# Altium PCB HV_Module_6W.PCBDOC (part 3 of 4)
Units mm, origin at the board's own origin, x right, y up, seen from the top; angles counter-clockwise.
Board outline 148 x 86 mm, 4 copper layers (Top, L2, L3, Bot), stack 1.6 mm thick; 457 components, 280 nets, 1264 pads, 439 vias.
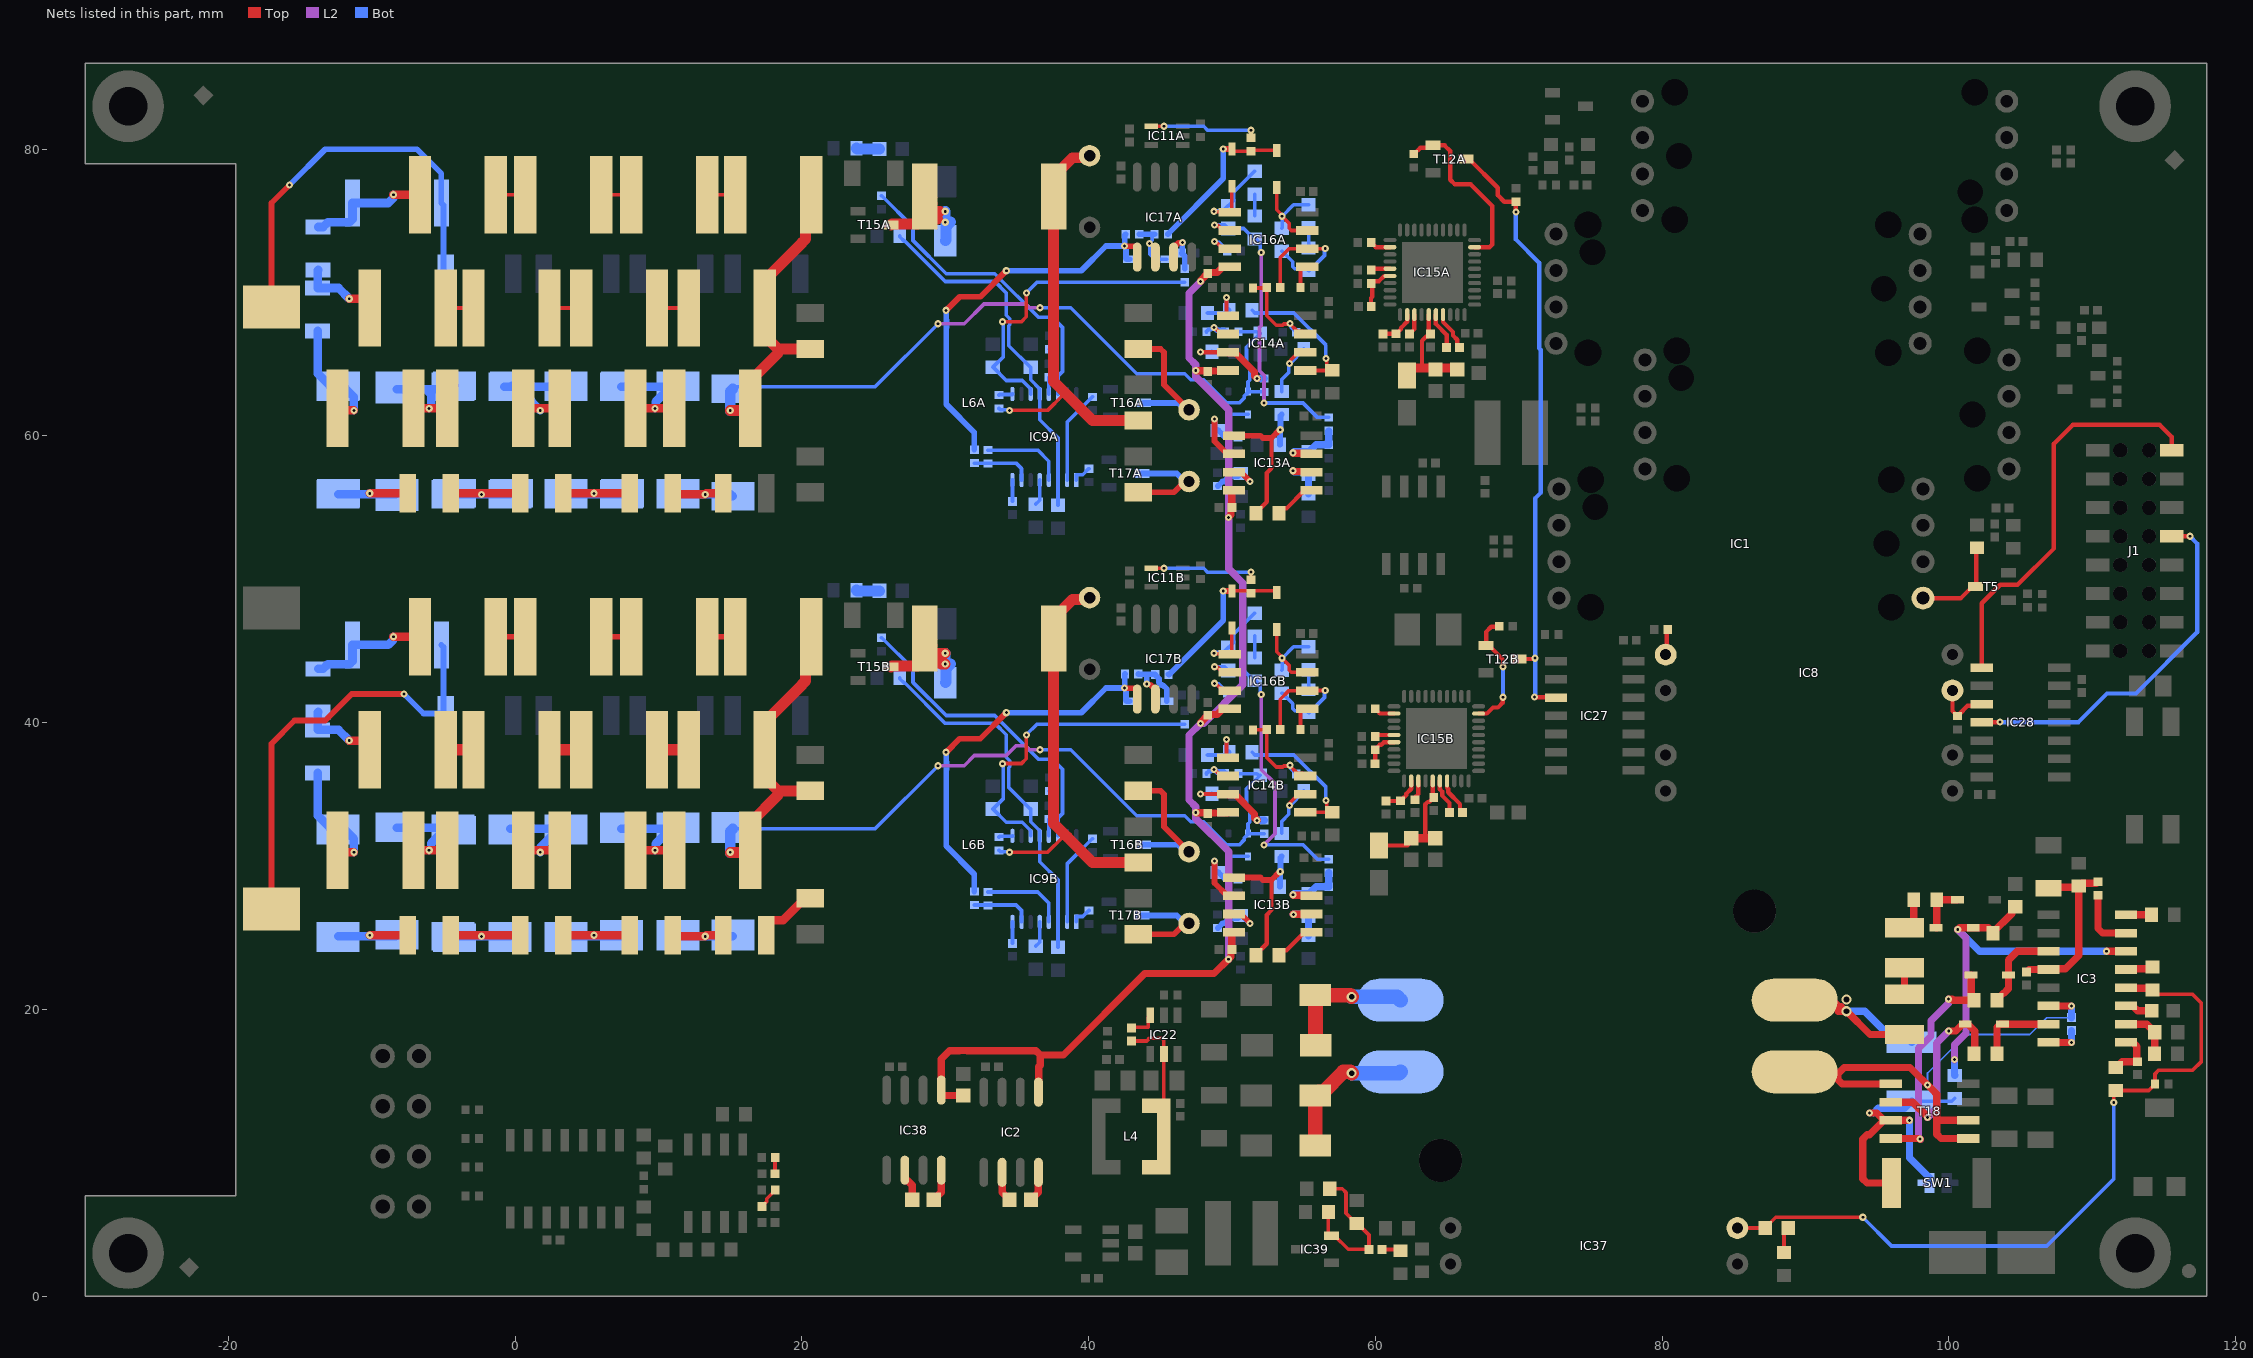
[diagram p5: the nets of this part, all layers, seen from the top]

## Via types
v1: diameter 0.5, hole 0.2, Top to Bot, tented both sides, 271 vias
v2: diameter 0.6, hole 0.3, Top to Bot, 80 vias
v3: diameter 0.5, hole 0.2, Top to Bot, 61 vias
v4: diameter 0.7, hole 0.4, Top to Bot, 27 vias

## Nets (pads, with @x,y where several pads share a name; then routed paths per layer and width w, separated by ;. In a path a pad name is that pad's centre, name@x,y a point inside that pad or via, vN(x,y) a via of type N, cw(c..) or ccw(c..) an arc to the next point about the centre after c; other vN are vias at no path point) (continued)
HV_ACB: C73B.1 L6B.9 | length 4.5
  Top w0.6: C73B.1@17.5,25.175 17.5,25.95 17.775,26.225 18.68,26.225 20.205,27.75 L6B.9@20.525,27.75
HV_EN: IC28.1 J1.15 | length 28.5
  Top w0.3: IC28.1@102.3,43.835 102.3,48.331 103.59,49.621 104.796,49.621 107.325,52.15 107.325,59.455 108.645,60.775 114.716,60.775 115.539,59.952 J1.15@115.539,59.004
HV_OUTA: J7.1 R76A.2 R170A.2 | length 28.5
  Top w0.4: J7.1@-17,69 -17,76.25 v1(-15.75,77.5)
  Bot w0.4: v1(-15.75,77.5) -13.25,80 -6.85,80 -5.15,78.3 R170A.2@-5.15,76.25 -5,76.1 -5,71.475 R76A.2@-4.85,71.325
HV_OUTB: J4.1 R76B.2 R170B.2 | length 30.4
  Top w0.4: J4.1@-17,27 -17,38.537 -15.388,40.15 -13.25,40.15 -11.4,42 v1(-7.75,42)
  Bot w0.4: v1(-7.75,42) -6.4,40.65 -5,40.65 -5,45.275 R170B.2@-5.15,45.425
INT0: IC28.4 J1.9 | length 25.8
  Top w0.3: IC28.4@102.3,40.025 103.545,40.025 v3(103.561,40.041) ; J1.9@115.539,53.004 v3(116.817,53.004)
  Bot w0.3: v3(103.561,40.041) 109.041,40.041 111.038,42.038 113.049,42.038 117.321,46.31 117.321,52.501 v3(116.817,53.004)
INT0_ISOLn: IC27.3 R107.1 T12A.3 T12B.3 | length 43.1
  Top w0.3: T12A.3@66.32,79.32 66.52,79.32 68.531,77.309 68.531,76.799 68.993,76.336 R107.1@69.8,76.336 v3@69.8,75.73 ; T12B.3@70.023,44.44 71.082,44.44 v3(71.143,44.502) ; v3(71.1,41.8) 71.125,41.775 72.575,41.775 IC27.3@72.6,41.75
  Bot w0.3: v3@69.8,75.73 69.8,73.7 71.427,72.073 71.427,66.11 71.527,66.01 71.527,56.032 71.143,55.648 v3(71.143,44.502) 71.143,41.843 v3(71.1,41.8)
  other v3: 69.8,75.63
N3V3p: C20A.2 C20B.2 C21A.2 C21B.2 C22A.2 C22B.2 C67.2 IC2.5 IC13A.4 IC13B.4 IC14A.4 IC14B.4 IC16A.4 IC16B.4 IC38.5 | length 95.7
  Top w0.508: C67.2@31.25,14 29.767,14 29.72,14.047 IC38.5@29.72,14.374 29.72,16.549 30.296,17.125 30.983,17.125 30.989,17.131 31.511,17.131 31.517,17.125 36.318,17.125 36.616,16.827 ; IC2.5@36.5,14.227 36.519,14.247 36.519,16.001 36.616,16.098 36.616,16.827 ; v1(47.474,33.74) 47.493,33.721 48.255,33.721 C20B.2@48.311,33.665 48.351,33.705 49.675,33.705 IC14B.4@49.715,33.745 ; v1(47.474,64.565) 47.493,64.546 48.255,64.546 C20A.2@48.311,64.49 48.351,64.53 49.675,64.53 IC14A.4@49.715,64.57 ; v1(47.811,39.95) 47.811,40.02 C21B.2@48.311,40.52 48.367,40.576 48.971,40.576 49.365,40.97 IC16B.4@49.84,40.97 ; v1(47.811,70.775) 47.811,70.845 C21A.2@48.311,71.345 48.367,71.401 48.971,71.401 49.365,71.795 IC16A.4@49.84,71.795 ; v1(49.75,54.325) 49.934,54.509 49.934,54.944 C22A.2@49.99,55 49.99,56.165 50.036,56.211 IC13A.4@50.141,56.211 ; IC13B.4@50.141,25.386 50.036,25.386 49.99,25.34 C22B.2@49.99,24.175 49.934,24.119 49.934,23.684 v1(49.75,23.5) 48.75,22.5 43.915,22.5 38.242,16.827 36.616,16.827
  L2 w0.508: v1(47.811,70.775) 47,69.964 47,65.437 47.474,64.963 v1(47.474,64.565) 47.474,64.131 49.765,61.84 49.765,50.733 50.75,49.748 50.75,42.653 48.047,39.95 v1(47.811,39.95) 47,39.139 47,34.612 47.474,34.138 v1(47.474,33.74) 47.474,33.306 49.765,31.015 49.765,23.725 49.75,23.71 v1(49.75,23.5)
NetC5A_2: C5A.2 IC15A.26 R22A.1 | length 3
  Top w0.3: C5A.2@59.71,69.028 59.7,69.038 59.7,69.62 59.787,69.707 59.787,70.574 R22A.1@59.72,70.641 ; R22A.1@59.86,70.801 60.251,70.801 60.616,71.166 IC15A.26@61.02,71.166
NetC5B_2: C5B.2 IC15B.26 R22B.1 | length 2.3
  Top w0.3: C5B.2@59.98,37.14 59.99,37.15 59.99,38.13 R22B.1@60,38.14 ; R22B.1@60.14,38.3 60.293,38.453 60.405,38.453 60.592,38.64 IC15B.26@61.3,38.64
NetC11A_2: C11A.2 IC15A.33 | length 1.5
  Top w0.3: C11A.2@62.37,67.116 62.72,67.466 IC15A.33@62.72,68.466
NetC11B_2: C11B.2 IC15B.33 | length 1.3
  Top w0.3: C11B.2@62.75,34.78 63,35.03 IC15B.33@63,35.94
NetC12A_2: C12A.2 IC15A.32 R20A.1 | length 2.6
  Top w0.3: C12A.2@60.52,67.116 60.53,67.126 61.435,67.126 R20A.1@61.445,67.136 61.465,67.136 61.783,67.454 61.783,67.541 62.22,67.978 IC15A.32@62.22,68.466
NetC12B_2: C12B.2 IC15B.32 R20B.1 | length 2.5
  Top w0.3: C12B.2@60.75,34.53 60.76,34.54 61.74,34.54 R20B.1@61.75,34.55 ; R20B.1@61.91,34.69 61.91,34.71 62.163,34.963 62.163,35.055 62.5,35.392 IC15B.32@62.5,35.94
NetC13A_1: C13A.1 IC15A.36 | length 2.6
  Top w0.3: IC15A.36@64.22,68.466 64.22,67.806 64.97,67.056 C13A.1@64.97,66.166
NetC13A_2: C13A.2 IC15A.37 | length 2.8
  Top w0.3: IC15A.37@64.72,68.466 64.72,67.958 65.42,67.258 65.42,67.004 65.71,66.714 65.71,66.326 C13A.2@65.87,66.166
NetC13B_1: C13B.1 IC15B.36 | length 2.5
  Top w0.3: IC15B.36@64.5,35.94 64.5,35.36 64.656,35.205 64.656,34.917 65.166,34.406 C13B.1@65.166,33.74
NetC13B_2: C13B.2 IC15B.37 | length 2.6
  Top w0.3: IC15B.37@65,35.94 65,35.464 65.083,35.382 65.083,35.144 65.906,34.32 65.906,33.9 C13B.2@66.066,33.74
NetC14A_1: C14A.1 C15A.2 C17A.2 C18A.2 IC15A.35 | length 7.9
  Top w0.3: 63.258,64.741 63.258,66.641 63.573,66.956 63.685,66.956 C18A.2@63.845,67.116 63.72,67.241 IC15A.35@63.72,68.466
  Top w0.6: C14A.1@62.195,64.214 62.195,64.416 62.52,64.741 63.258,64.741 64.195,64.741 C15A.2@65.72,64.741
NetC14B_1: C14B.1 C15B.2 C17B.2 C18B.2 IC15B.35 | length 8.4
  Top w0.3: C14B.1@60.25,31.44 62.237,31.44 C17B.2@62.622,31.825 ; 63.47,32.079 63.47,33.897 63.482,33.908 63.482,34.305 63.644,34.467 63.756,34.467 C18B.2@64.069,34.78 64,34.849 IC15B.35@64,35.94
  Top w0.6: C17B.2@62.504,31.943 63.47,31.943 C15B.2@64.18,31.943
NetC23_1: C23.1 IC22.6 | length 2.1
  Top w0.254: C23.1@43,18.7 43.05,18.75 44.151,18.75 44.152,19.452 IC22.6@44.3,19.6
NetC23_2: C23.2 IC22.2 L4.1 | length 9.1
  Top w0.254: C23.2@43,17.8 44.05,17.8 44.25,18 45.101,18 45.25,17.851 IC22.2@45.25,16.9 L4.1@45.25,11.143
NetC26_2: C26.2 IC3.1 R186.2 | length 3.6
  Top w0.508: R186.2@111.654,15.95 111.704,15.95 112.104,16.35 C26.2@113.154,16.35 113.112,16.392 113.112,17.422 112.829,17.705 IC3.1@112.354,17.705
NetC27_1: C27.1 IC3.3 | length 1.9
  Top w0.508: IC3.3@112.354,20.245 112.829,20.245 112.875,20.199 112.875,20.198 113.173,19.9 C27.1@114.154,19.9
NetC28_1: C28.1 IC3.2 R187.1 | length 3.8
  Top w0.508: IC3.2@112.354,18.975 113.804,18.975 114.354,18.425 C28.1@114.354,18.4 R187.1@114.354,16.9
NetC29_1: C29.1 IC3.16 | length 2.4
  Top w0.508: IC3.16@106.954,17.705 106.959,17.7 v1(108.55,17.7)
  Bot w0.508: v1(108.55,17.7) C29.1@108.55,18.525
NetC29_2: C29.2 IC3.14 L1.1 T18.1 T18.5 T18.6 | length 34.3
  Top w0.508: T18.1@95.954,14.805 92.571,14.805 92.273,15.103 92.273,15.523 92.7,15.95 97.296,15.95 98.834,14.412 99.154,14.092 99.154,12.265 ; T18.5@101.354,10.995 99.452,10.995 99.154,11.293 99.154,12.265 ; T18.6@101.354,12.265 99.154,12.265 ; IC3.14@106.954,20.245 v1(108.55,20.245)
  Bot w0.127: v3(98.519,14.727) 98.519,15.565 101.204,18.25 105.65,18.25 106.825,19.425 C29.2@108.55,19.425
  Bot w0.508: C29.2@108.55,19.425 v1(108.55,20.245)
NetC33_1: C33.1 IC38.4 | length 2.3
  Top w0.508: C33.1@29.2,6.73 29.72,7.25 IC38.4@29.72,8.786
NetC33_2: C33.2 IC38.2 | length 2.4
  Top w0.508: IC38.2@27.18,8.786 27.18,8.102 27.227,8.056 27.375,8.056 27.7,7.73 C33.2@27.7,6.73
NetC36_1: C36.1 R26.1 R29.2 SW1.2 T18.3 | length 20.9
  Top w0.508: v1(94.464,12.78) 94.965,12.78 T18.3@95.479,12.265 ; R29.2@96.004,7.9 94.298,7.9 94,8.198 94,10.952 94.298,11.25 94.464,11.25 T18.3@95.479,12.265 ; v1(97.253,12.265) T18.3@95.479,12.265
  Bot w0.254: C36.1@97.404,13.6 100.204,13.6 R26.1@100.404,13.8
  Bot w0.508: 94.75,12.78 95.074,13.104 96.908,13.104 C36.1@97.404,13.6 ; v1(97.253,12.265) 97.253,9.651 98.654,8.25 SW1.2@98.654,7.9
NetC36_2: C36.2 C40.2 L1.2 | length 14.5
  Top w0.508: L1.2@89.25,20.652 89.343,20.559 91.981,20.559 92.294,20.247 92.294,20.113 ; 92.488,20.2 92.38,20.2 92.294,20.113 ; v4(92.867,19.873) 92.294,19.873 92.294,20.113 ; v4@92.872,19.878 94.5,18.25 C40.2@96.904,18.25
  Bot w0.508: v4(92.867,19.873) 94.127,19.873 95.804,18.196 96.908,18.196 C36.2@97.404,17.7
  other v4: 92.867,20.689
NetC37_1: C37.1 C38.1 IC3.12 R185.1 R190.1 | length 12.6
  Top w0.508: C38.1@105.404,22.6 105.589,22.785 IC3.12@106.954,22.785 107,22.831 108.131,22.831 109.058,23.758 R185.1@109.058,28.6 ; C37.1@106.954,28.45 107.029,28.525 108.983,28.525 R185.1@109.058,28.6 ; R190.1@110.404,28.9 110.384,28.9 110.28,28.796 109.254,28.796 R185.1@109.058,28.6
NetC39_1: C39.1 R30.1 | length 2.4
  Top w0.508: C39.1@96.904,25.7 97.133,25.7 97.554,26.121 R30.1@97.554,27.65
NetC39_2: C39.2 C40.1 | length 1.8
  Top w0.508: C40.1@96.904,21.05 C39.2@96.904,22.9
NetC41_2: C41.2 D9.1 IC3.6 R26.2 R194.2 | length 28.2
  Top w0.508: v1(100.62,25.577) 100.739,25.696 101.7,25.696 D9.1@101.704,25.7 101.708,25.696 102.758,25.696 R194.2@103.079,25.375 ; R194.2@103.079,25.325 R194.2@103.079,25.375 ; C41.2@104.629,27.15 104.604,27.15 104.383,26.929 104.383,26.679 R194.2@103.079,25.375 ; v3(111,24.055) IC3.6@112.354,24.055
  L2 w0.508: v1(100.4,16.5) 100.4,17.535 101.197,18.331 101.197,25 v1(100.62,25.577)
  Bot w0.508: v1(100.4,16.5) 100.4,15.404 R26.2@100.404,15.4 ; v1(100.62,25.577) 102.142,24.055 v3(111,24.055)
NetC43_1: C43.1 R33.2 | length 1.8
  Top w0.254: R33.2@88.5,3.05 88.5,4.45 C43.1@88.8,4.75
NetC43_2: C43.2 IC3.4 IC37.4 R186.1 R189.2 R191.2 | length 52.6
  Top w0.254: IC37.4@85.25,4.75 C43.2@87.2,4.75 87.2,4.775 87.929,5.504 93.996,5.504 v1(94,5.5) ; v1(111.5,13.5) 111.5,14.196 R186.1@111.654,14.35 113.944,14.35 114.379,14.785 R189.2@114.379,14.805 114.379,15.5 114.629,15.75 117,15.75 117.619,16.369 117.619,20.431 117,21.05 114.504,21.05 R191.2@114.204,21.35 R191.2@114.085,21.469
  Top w0.508: IC3.4@112.354,21.515 112.4,21.469 R191.2@114.085,21.469
  Bot w0.254: v1(94,5.5) 96,3.5 106.825,3.5 111.5,8.175 v1(111.5,13.5)
NetC44_1: C44.1 R57.2 | length 1.5
  Top w0.254: C44.1@17.213,6.267 17.549,6.603 17.549,6.801 18.133,7.385 R57.2@18.133,7.405
NetC46_1: C46.1 R71.2 | length 1.1
  Top w0.3: C46.1@18.123,8.552 R71.2@18.123,9.67
  Top w0.4: C46.1@18.113,8.542 C46.1@18.123,8.552 ; R71.2@18.123,9.67 R71.2@18.133,9.68
NetC48_1: C48.1 C56.1 IC39.2 R195.1 R198.2 | length 10.7
  Top w0.254: R198.2@56.719,5.874 56.719,4.391 56.892,4.218 57.15,4.218 58.1,3.268 59.532,3.268 C56.1@59.55,3.25 59.558,3.258 59.558,4.268 58.751,5.075 58.651,5.075 57.947,5.779 57.947,7.226 57.681,7.492 C48.1@56.825,7.492
NetC56_2: C56.2 R197.1 | length 1.3
  Top w0.254: C56.2@60.45,3.25 61.666,3.25 R197.1@61.75,3.166
NetC69A_2: C69A.2 L6A.3 L8A.2 R166A.2 | length 29.8
  Top w0.254: v1(34.48,61.785) 37.137,61.785 38.191,62.839 38.515,62.839
  Top w0.762: C69A.2@40.061,79.55 39.92,79.409 38.865,79.409 37.561,78.105 L8A.2@37.561,76.705 37.561,63.792 38.515,62.839 40.278,61.075 L6A.3@43.525,61.075
  Bot w0.254: R166A.2@33.75,61.917 33.835,61.832 34.433,61.832 v1(34.48,61.785)
NetC69B_2: C69B.2 L6B.3 L8B.2 R166B.2 | length 29.8
  Top w0.254: v1(34.48,30.96) 37.137,30.96 38.191,32.014 38.515,32.014
  Top w0.762: C69B.2@40.061,48.725 39.92,48.584 38.865,48.584 37.561,47.28 L8B.2@37.561,45.88 37.561,32.967 38.515,32.014 40.278,30.25 L6B.3@43.525,30.25
  Bot w0.254: R166B.2@33.75,31.092 33.835,31.007 34.433,31.007 v1(34.48,30.96)
NetC71A_2: C71A.2 R163A.1 | length 1.6
  Bot w0.762: R163A.1@23.8,80.075 23.8,80.064 23.844,80.02 C71A.2@25.411,80.02
NetC71B_2: C71B.2 R163B.1 | length 1.6
  Bot w0.762: R163B.1@23.8,49.25 23.8,49.239 23.844,49.195 C71B.2@25.411,49.195
NetC72A_2: C72A.2 C75A.1 IC9A.3 IC9A.12 R164A.2 | length 25.5
  Bot w0.254: R164A.2@26.825,73.945 26.825,73.895 27.148,73.572 27.198,73.572 29.995,70.775 33.461,70.775 34.257,69.979 34.257,68.421 34.504,68.174 34.504,67.756 34.435,67.687 34.435,66.3 35.93,64.805 C75A.1@35.955,64.805 35.955,63.915 36.59,63.28 IC9A.12@36.59,62.93 36.59,61.125 37.86,59.855 IC9A.3@37.86,56.93 C72A.2@37.86,55.165
NetC72B_2: C72B.2 C75B.1 IC9B.3 IC9B.12 R164B.2 | length 25.5
  Bot w0.254: R164B.2@26.825,43.12 26.825,43.07 27.148,42.747 27.198,42.747 29.995,39.95 33.461,39.95 34.257,39.154 34.257,37.596 34.504,37.349 34.504,36.931 34.435,36.862 34.435,35.475 35.93,33.98 C75B.1@35.955,33.98 35.955,33.09 36.59,32.455 IC9B.12@36.59,32.105 36.59,30.3 37.86,29.03 IC9B.3@37.86,26.105 C72B.2@37.86,24.34
NetC73A_2: C73A.2 C109A.1 D1A.2 D32A.2 D33A.1 D39A.1 | length 7.5
  Top w0.6: C109A.1@11,56 11.075,55.925 v1(13.26,55.925) 13.335,56 C73A.2@14.5,56
  Bot w0.6: D32A.2@11.343,55.925 v1(13.26,55.925) 15.044,55.925 D1A.2@15.177,55.792
NetC73B_2: C73B.2 C109B.1 D1B.2 D32B.2 D33B.1 D39B.1 | length 7.4
  Top w0.6: C109B.1@11,25.175 11.075,25.1 v1(13.26,25.1) 13.335,25.175 C73B.2@14.5,25.175
  Bot w0.6: D32B.2@11.343,25.1 v1(13.26,25.1) D39B.1@15.177,25.1
NetC74A_1: C74A.1 IC9A.8 | length 1.5
  Bot w0.254: C74A.1@34.685,55.435 IC9A.8@34.685,56.93
NetC74B_1: C74B.1 IC9B.8 | length 1.5
  Bot w0.254: C74B.1@34.685,24.61 IC9B.8@34.685,26.105
NetC76A_1: C76A.1 L6A.1 T17A.3 | length 7.3
  Top w0.4: L6A.1@43.525,56.075 45.952,56.075 46.702,56.825 C76A.1@47,56.825
  Bot w0.4: T17A.3@43.727,57.383 46.144,57.383 46.702,56.825 C76A.1@47,56.825
NetC76A_2: C76A.2 L6A.5 T16A.3 | length 9.9
  Top w0.4: L6A.5@43.525,66.075 45.021,66.075 45.255,65.841 45.255,63.57 C76A.2@47,61.825
  Bot w0.4: T16A.3@43.825,62.305 46.222,62.305 46.702,61.825 C76A.2@47,61.825
NetC76B_1: C76B.1 L6B.1 T17B.3 | length 7.3
  Top w0.4: L6B.1@43.525,25.25 45.952,25.25 46.702,26 C76B.1@47,26
  Bot w0.4: T17B.3@43.727,26.558 46.144,26.558 46.702,26 C76B.1@47,26
NetC76B_2: C76B.2 L6B.5 T16B.3 | length 9.9
  Top w0.4: L6B.5@43.525,35.25 45.021,35.25 45.255,35.016 45.255,32.745 C76B.2@47,31
  Bot w0.4: T16B.3@43.825,31.48 46.222,31.48 46.702,31 C76B.2@47,31
NetC108_1: C108.1 IC2.4 | length 2.1
  Top w0.508: C108.1@35.98,6.73 36.481,7.23 36.481,8.62 IC2.4@36.5,8.639
NetC108_2: C108.2 IC2.2 | length 2.1
  Top w0.508: IC2.2@33.96,8.639 33.979,8.62 33.979,7.23 C108.2@34.48,6.73
NetC109A_2: C109A.2 C110A.1 D19A.1 D20A.2 D25A.2 D26A.1 | length 8.5
  Top w0.6: C110A.1@3.355,56 v1(5.5,56) C109A.2@8,56
  Bot w0.6: D20A.2@3.559,55.925 D19A.1@7.405,55.925
NetC109B_2: C109B.2 C110B.1 D19B.1 D20B.2 D25B.2 D26B.1 | length 8.6
  Top w0.6: C110B.1@3.355,25.175 v1(5.5,25.175) C109B.2@8,25.175
  Bot w0.6: D20B.2@3.559,25.1 v1@5.5,25.1 ; v1(5.5,25.175) v1@5.5,25.1 ; D19B.1@7.405,25.1 v1@5.5,25.1
NetC110A_2: C110A.2 C111A.1 D21A.1 D22A.2 D27A.2 D28A.1 | length 8.9
  Top w0.6: C111A.1@-4.5,56 C110A.2@0.355,56
  Bot w0.6: D22A.2@-4.35,55.925 v1(-2.35,55.925) D21A.1@-0.35,55.925
NetC110B_2: C110B.2 C111B.1 D21B.1 D22B.2 D27B.2 D28B.1 | length 8.9
  Top w0.6: C111B.1@-4.5,25.175 C110B.2@0.355,25.175
  Bot w0.6: D22B.2@-4.35,25.1 v1(-2.35,25.1) D21B.1@-0.35,25.1
NetC111A_2: C111A.2 D23A.1 D24A.2 D29A.2 D30A.1 | length 6.9
  Top w0.6: v1(-10.15,56) C111A.2@-7.5,56
  Bot w0.6: D24A.2@-12.35,55.925 v1@-10.15,55.925 ; v1(-10.15,56) v1@-10.15,55.925 ; D23A.1@-8.25,56 -8.325,55.925 v1@-10.15,55.925
NetC111B_2: C111B.2 D23B.1 D24B.2 D29B.2 D30B.1 | length 6.8
  Top w0.6: v1(-10.15,25.175) C111B.2@-7.5,25.175
  Bot w0.6: D24B.2@-12.35,25.1 -8.325,25.1 D23B.1@-8.25,25.175
NetC112A_2: C112A.2 IC9A.11 R179A.2 | length 21.9
  Top w0.254: v1(34,67.965) 34.01,67.975 35.32,67.975 35.655,68.31 v1(35.655,69.979)
  Bot w0.254: C112A.2@33.3,64.805 C112A.2@33.325,64.805 ; v1(34,67.965) 34,67.898 34.054,67.844 34.054,65.534 C112A.2@33.325,64.805 ; v1(35.655,69.979) 36.4,70.724 R179A.2@46.7,70.724 ; IC9A.11@35.955,62.93 35.955,63.28 35.362,63.873 34.257,63.873 C112A.2@33.325,64.805
NetC112B_2: C112B.2 IC9B.11 R179B.2 | length 21.9
  Top w0.254: v1(34,37.14) 34.01,37.15 35.32,37.15 35.655,37.485 v1(35.655,39.154)
  Bot w0.254: C112B.2@33.3,33.98 C112B.2@33.325,33.98 ; v1(34,37.14) 34,37.073 34.054,37.019 34.054,34.709 C112B.2@33.325,33.98 ; v1(35.655,39.154) 36.4,39.899 R179B.2@46.7,39.899 ; IC9B.11@35.955,32.105 35.955,32.455 35.362,33.048 34.257,33.048 C112B.2@33.325,33.98
NetC113A_2: C113A.2 IC9A.5 | length 1.8
  Bot w0.254: C113A.2@36.3,55.23 36.59,55.52 IC9A.5@36.59,56.93
NetC113B_2: C113B.2 IC9B.5 | length 1.8
  Bot w0.254: C113B.2@36.3,24.405 36.59,24.695 IC9B.5@36.59,26.105
NetC114A_1: C114A.1 C120A.2 | length 2
  Top w0.254: C114A.1@-4.85,68.925 C120A.2@-2.9,68.925
NetC114A_2: C114A.2 R168A.2 R169A.1 | length 5.6
  Top w0.6: v1(-11.575,69.575) -10.625,69.575 -10.15,69.1 C114A.2@-10.15,68.925
  Bot w0.6: R169A.1@-13.75,71.575 -13.764,71.561 -13.764,70.339 R168A.2@-13.777,70.325 -12.325,70.325 v1(-11.575,69.575)
NetC114B_1: C114B.1 C120B.2 | length 2
  Top w0.8: C114B.1@-4.85,38.1 C120B.2@-2.9,38.1
NetC114B_2: C114B.2 R168B.2 R169B.1 | length 5.6
  Top w0.6: v1(-11.575,38.75) -10.625,38.75 -10.15,38.275 C114B.2@-10.15,38.1
  Bot w0.6: R169B.1@-13.75,40.75 -13.764,40.736 -13.764,39.514 R168B.2@-13.777,39.5 -12.325,39.5 v1(-11.575,38.75)
NetC115A_1: C115A.1 C121A.2 | length 2.1
  Top w0.254: C115A.1@-1.35,76.825 C121A.2@0.705,76.825
NetC115A_2: C115A.2 R169A.2 R170A.1 | length 8.8
  Top w0.6: v1(-8.5,76.825) C115A.2@-6.65,76.825
  Bot w0.6: R169A.2@-13.75,74.575 -13.4,74.575 -13.075,74.9 -11.575,74.9 -11.35,75.125 R170A.1@-11.35,76.25 -8.851,76.25 -8.5,76.601 v1(-8.5,76.825)
NetC115B_1: C115B.1 C121B.2 | length 2.1
  Top w0.4: C115B.1@-1.35,46 C121B.2@0.705,46
NetC115B_2: C115B.2 R169B.2 R170B.1 | length 8.8
  Top w0.6: v1(-8.5,46) C115B.2@-6.65,46
  Bot w0.6: R169B.2@-13.75,43.75 -13.4,43.75 -13.075,44.075 -11.575,44.075 -11.35,44.3 R170B.1@-11.35,45.425 -8.851,45.425 -8.5,45.776 v1(-8.5,46)
NetC116A_1: C116A.1 C123A.1 C132A.2 C138A.1 D1A.1 D16A.1 D39A.2 L6A.8 R89A.2 R183A.2 | length 71.9
  Top w0.762: v1(15,61.785) 16.26,61.785 C116A.1@16.4,61.925 16.4,63.85 18.325,65.775 18.325,66.075 ; L6A.8@20.525,66.075 18.325,66.075 ; C138A.1@20.65,76.825 20.256,76.431 20.256,73.737 20,73.481 20,73.45 17.4,70.85 C123A.1@17.4,68.925 17.4,67 18.325,66.075
  L2 w0.254: v1(29.5,67.825) 31.314,67.825 32.699,69.21 35.607,69.21 35.877,68.94 v1(36.616,68.94)
  Bot w0.254: D1A.1@15.177,63.292 15.31,63.425 25.1,63.425 v1(29.5,67.825) ; v1(36.616,68.94) 38.756,68.94 43.359,64.337 46.7,64.337 47.122,63.915 48.01,63.915 49.608,62.317 50.52,62.317 50.841,62.638 50.841,62.764 51.117,63.04 D16A.1@51.117,63.105 ; R183A.2@50.449,67.271 51.735,67.271 51.852,67.155 C132A.2@51.968,67.155 51.01,66.197 51.01,64.956 51.243,64.723 51.243,63.888 51.117,63.762 D16A.1@51.117,63.105 ; R89A.2@52.25,63.073 52.234,63.089 51.133,63.089 D16A.1@51.117,63.105